# Allegro board PoF_TMR_A1-JAN-20-26.brd (continued)
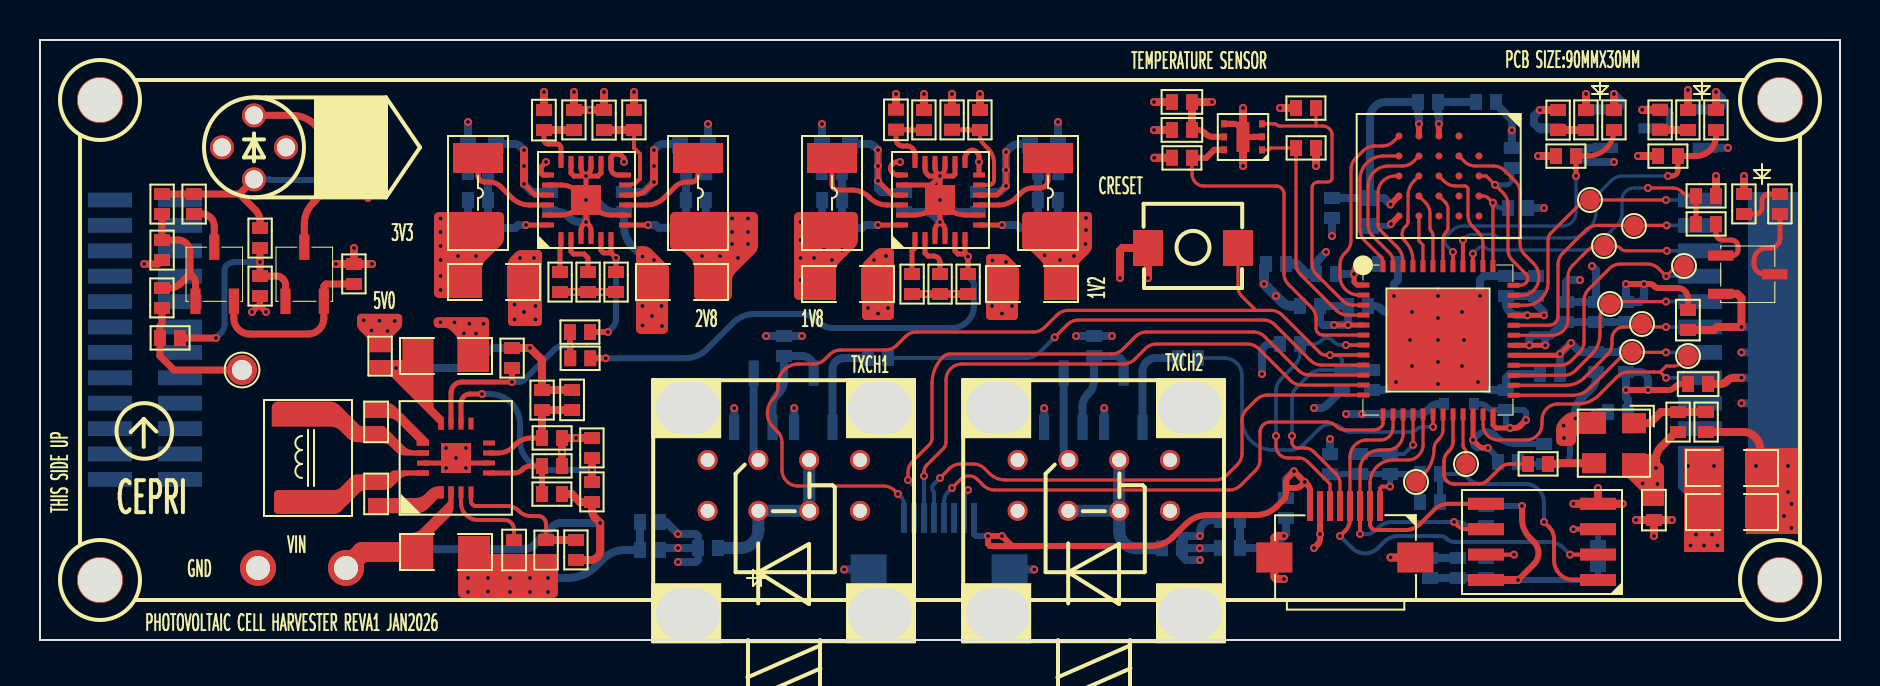
[diagram p0: board, top side]
## Routing (per net, layer and track width the routed paths; a pad name or vN(x,y) marks a point on that pad's centre or on a via; arc(x,y) is an arc through that point) (continued)
UPLD_TXD2: length 25.3
  TOP w0.16: v1(50.73,15.13) 51.37,15.77 arc(51.63,15.94) 51.93,16 61.17,16 arc(61.47,15.94) 61.73,15.77 63.52,13.98 arc(63.78,13.81) 64.08,13.75 U5.9
  BOTTOM w0.2: R63.1 49.29,14.1 arc(49.67,14.18) 49.99,14.39 v1(50.73,15.13)
UPLD_TXD3: length 16.6
  TOP w0.18: U5.18 v1(69.65,10.65)
  BOTTOM w0.18: v1(69.65,10.65) 69.11,10.65 arc(68.97,10.62) 68.84,10.54 68.81,10.51 arc(68.69,10.43) 68.54,10.4 65.49,10.4 arc(65.31,10.44) 65.16,10.54 arc(64.55,10.79) 63.94,10.54 63.16,9.76 arc(62.87,9.57) 62.53,9.5 61.65,9.5 arc(60.55,9.95) 60.1,11.05 60.1,13.2 arc(59.84,13.84) 59.2,14.1 R62.1
N1648364: length 7.6
  TOP w0.25: U5.30 v1(74.46,14.74) v1(75.26,14.74)
  BOTTOM w0.4: FB2.1 C39.1 C40.1 76.2,15.9 75.54,15.24 75.26,15.24 ; v1(74.46,14.74) 74.46,15.1 74.6,15.24 75.26,15.24 ; 75.26,15.24 v1(75.26,14.74)
N1648368: length 6.1
  TOP w0.25: U5.5 v1(65.4,15.75) v1(64.7,15.75)
  BOTTOM w0.4: 64,15.9 64.15,15.75 v1(64.7,15.75) v1(65.4,15.75) C38.1 FB1.1 64,15.9
N1648564: length 3.1
  TOP w0.2: U7.3 v1(76.67,5.54)
  BOTTOM w0.3: R74.1 77.9,5.19 arc(77.8,5.44) 77.55,5.54 v1(76.67,5.54)
N1648568: length 2.9
  TOP w0.2: U7.7 v1(73.7,4.27)
  BOTTOM w0.2: v1(73.7,4.27) 73.14,4.27 72.97,4.1 R75.1
N1648824: length 7.8
  TOP w0.25: U5.29 75.94,14.24 v1(76,14.3) v1(76.55,14.85)
  BOTTOM w0.4: C42.1 v1(76,14.3) v1(76.55,14.85) 77,14.4 C41.1 R64.1
N1648996: length 6.5
  TOP w0.25: v1(73.5,10.6) 72.8,10.6 72.65,10.75 U5.24
  TOP w0.3: v1(74.3,11) 74.02,10.72 arc(73.89,10.63) 73.73,10.6 v1(73.5,10.6)
  BOTTOM w0.3: D6.1 72.02,11.8 arc(72.19,11.77) 72.33,11.67 72.37,11.63 arc(72.51,11.53) 72.68,11.5 C44.1 ; C44.1 73.3,10.8 v1(73.5,10.6) ; C44.1 74.19,11.5 74.3,11.39 v1(74.3,11)
N1650132: length 12.2
  TOP w0.3: U2.D1 v1(68.95,25.8) ; U2.E4 v1(67.52,21.78)
  BOTTOM w0.4: L6.1 C33.1 ; C33.1 67.2,22.1 v1(67.52,21.78) ; C33.1 66.5,26.1 arc(66.73,26.67) 67.3,26.9 C20.1 68.9,26.24 68.95,26.19 v1(68.95,25.8)
N1650410: length 2.3
  TOP w0.4: R7.2 v1(78.7,27.3)
  BOTTOM w0.4: Q5.1 78.82,26.52 79,26.7 79,27 v1(78.7,27.3)
N1650418: length 2.6
  TOP w0.4: R9.2 v1(83.8,27.4)
  BOTTOM w0.4: v1(83.8,27.4) 84.1,27.1 84.1,26.7 83.92,26.52 Q4.1
N1650426: length 3.1
  TOP w0.25: R20.2 83.8,20.32 arc(83.82,20.21) 83.88,20.12 83.92,20.08 arc(84.01,20.02) 84.12,20 84.58,20 arc(84.69,19.98) 84.78,19.92 84.82,19.88 arc(84.88,19.79) 84.9,19.68 84.9,19.5 arc(84.82,19.3) 84.62,19.22 Q3.1
N3114235: length 5
  TOP w0.25: L4.1 50.4,23 arc(50.28,22.72) 50,22.6 49.62,22.6 arc(49.32,22.54) 49.07,22.37 48.82,22.12 arc(48.41,21.85) 47.93,21.75 U4.9
N3114271: length 2.3
  TOP w0.25: R28.1 45,18.88 arc(44.98,18.99) 44.92,19.08 44.88,19.12 arc(44.79,19.18) 44.68,19.2 44.4,19.2 44.25,19.35 U4.2
N3114319: length 5.8
  TOP w0.25: U4.7 v1(48.1,20.75)
  BOTTOM w0.4: v1(48.1,20.75) 48.85,20.75 48.99,20.61 R55.1 49.9,21.4 49.9,21.41 C25.1 49.9,22.78 49.91,22.8 R49.2
N3114529: length 3.7
  TOP w0.25: R4.1 43.41,25.5 43.39,25.52 C2.2 42.8,25.02 arc(42.82,24.91) 42.88,24.82 42.92,24.78 arc(43.01,24.72) 43.12,24.7 43.35,24.7 arc(43.49,24.67) 43.61,24.59 43.64,24.56 arc(43.72,24.44) 43.75,24.3 U4.18
N3114639: length 5.2
  TOP w0.25: L3.1 39.6,22.8 arc(39.69,22.59) 39.9,22.5 40.59,22.5 arc(41.06,22.41) 41.46,22.14 41.49,22.11 arc(41.89,21.84) 42.36,21.75 U4.22
N3114667: length 1.9
  TOP w0.25: U4.1 43.75,19.61 43.6,19.46 R27.1
N3114699: length 5.9
  TOP w0.25: U4.24 v1(41.9,20.75)
  BOTTOM w0.4: R50.2 40.09,22.81 40.1,22.79 C26.1 40.1,21.41 40.1,21.4 R56.1 41.1,20.6 41.25,20.75 v1(41.9,20.75)
N3116255: length 5.1
  TOP w0.25: U3.9 30.33,21.75 arc(30.81,21.85) 31.22,22.12 31.77,22.67 arc(32.02,22.84) 32.33,22.9 32.59,22.9 arc(32.69,22.92) 32.78,22.98 32.82,23.02 arc(32.88,23.11) 32.9,23.21 L2.1
N3116291: length 2.4
  TOP w0.25: U3.2 26.55,19.43 26.68,19.3 27.2,19.3 27.4,19.1 R25.1
N3116339: length 5.9
  TOP w0.25: U3.7 v1(30.4,20.75)
  BOTTOM w0.4: R51.2 32.31,22.8 32.3,22.78 C27.1 32.3,21.41 32.3,21.4 R57.1 30.93,20.61 30.79,20.75 v1(30.4,20.75)
N3116549: length 3.8
  TOP w0.25: C3.2 25.2,25.01 arc(25.26,24.86) 25.41,24.8 25.85,24.8 arc(25.99,24.74) 26.05,24.6 U3.18
  TOP w0.4: R2.1 C3.2
N3116659: length 4.9
  TOP w0.25: L1.1 21.9,23.21 arc(21.92,23.11) 21.98,23.02 22.02,22.98 arc(22.11,22.92) 22.21,22.9 22.47,22.9 arc(22.78,22.84) 23.03,22.67 23.58,22.12 arc(23.99,21.85) 24.47,21.75 U3.22
N3116687: length 1.7
  TOP w0.25: R24.1 26,19.56 26.05,19.61 U3.1
N3116719: length 5.9
  TOP w0.25: U3.24 v1(24.3,20.75)
  BOTTOM w0.4: R52.2 C28.1 R58.1 23.76,20.6 23.91,20.75 v1(24.3,20.75)
N3119651: length 7
  TOP w0.2: U6.4 21.55,6.94 arc(21.57,6.86) 21.61,6.79 21.64,6.76 arc(21.71,6.72) 21.79,6.7 23.37,6.7 arc(23.67,6.64) 23.94,6.46 23.96,6.44 arc(24.23,6.26) 24.53,6.2 24.9,6.2 arc(25.18,6.08) 25.3,5.8 R47.1
  TOP w0.4: R46.2 R47.1
N3122265: length 11.5
  TOP w0.25: U6.10 21.05,11.85 arc(21.18,12.17) 21.5,12.3 v1(22.1,12.3)
  TOP w0.4: R44.2 v1(27.6,8.5) R41.1
  BOTTOM w0.3: v1(27.6,8.5) 25.5,8.5 arc(24.44,8.94) 24,10 24,10.8 arc(23.56,11.86) 22.5,12.3 v1(22.1,12.3)
N3122703: length 4.5
  TOP w0.2: C18.2 23.7,5.53 arc(23.56,5.86) 23.23,6 21.9,6 arc(21.3,6.25) 21.05,6.85 U6.3
N3123371: length 11.9
  TOP w0.4: R35.1 v1(24.5,14.6) 25.1,14 R37.1 C12.2
  BOTTOM w0.4: v1(24.5,14.6) 22.6,14.6 21.6,13.6 v1(17.8,13.6)
N3124274: length 5.8
  TOP w0.25: R40.1 24.57,10.1 arc(24.14,10.01) 23.76,9.76 23.65,9.65 arc(23.32,9.43) 22.93,9.35 U6.7
  TOP w0.4: C12.1 R37.2 R40.1
N3127570: length 4.1
  TOP w0.25: U6.5 23.73,8.35 arc(23.93,8.39) 24.11,8.51 24.14,8.54 arc(24.32,8.66) 24.52,8.7 R43.1
  TOP w0.3: R45.2 R43.1
N3144574: length 11.7
  TOP w0.35: LD1.1 9.97,22.3 ; 9.97,22.3 10.78,21.49 arc(10.94,21.25) 11,20.96 R21.1 ; 9.97,22.3 R19.1 R18.1
  BOTTOM w0.3: LD1.1 11.49,23.03 11.52,23 R53.2
N3144674: length 9.7
  TOP w0.35: Q2.3 13.21,20.79 arc(13.33,21.37) 13.65,21.85 13.76,21.96 arc(14.09,22.45) 14.2,23.02 14.2,24.65 arc(13.74,25.77) 12.62,26.23 LD1.2
N3144682: length 7.3
  TOP w0.35: R18.2 R22.1 6.9,20 arc(7.32,19.82) 7.5,19.4 7.5,18.3 ; 7.5,18.3 7.03,17.83 arc(6.78,17.66) 6.48,17.6 R31.2 ; 7.5,18.3 7.66,18.14 arc(7.75,18.01) 7.78,17.86 Q1.1
N3144686: length 2.4
  TOP w0.35: Q1.3 8.71,20.69 arc(8.53,21.12) 8.1,21.3 R19.2
N3144698: length 11.1
  TOP w0.35: R33.2 v1(8.8,15.1) ; Q2.1 12.28,17.76 arc(12.25,17.91) 12.16,18.04 12.12,18.08 arc(11.99,18.17) 11.83,18.2 R30.1 v1(11,18.9) R21.2
  BOTTOM w0.3: v1(8.8,15.1) 9.03,15.33 arc(9.18,15.55) 9.23,15.8 9.23,18.5 arc(9.25,18.62) 9.31,18.71 arc(9.52,18.85) 9.76,18.9 v1(11,18.9)
N3144846: length 9.4
  TOP w0.35: R23.1 14.3,17.8 14.2,17.7 14.2,16.94 Q2.2 14.19,16.09 arc(13.96,15.53) 13.4,15.3 10.48,15.3 arc(9.92,15.53) 9.69,16.09 9.69,16.93
N3153529: length 8.6
  BOTTOM w0.6: R73.2 35,4.6 arc(35.65,4.87) 35.92,5.52 D4.6 D4.7 D4.2
N3153778: length 4.4
  BOTTOM w0.4: Q9.3 35.69,9.23 D4.3
N3452855: length 3.8
  TOP w0.4: Y1.1 80.49,10.84 81.05,11.4 R38.1 R39.1
N3452915: length 2.3
  TOP w0.4: Y1.3 75.93,8.84 75.89,8.8 R42.2
N3454817: length 8.7
  BOTTOM w0.6: D5.7 D5.2 ; D5.7 53.96,5.44 arc(54.21,4.84) 54.81,4.59 R72.2 ; D5.7 D5.6
N3455721: length 5
  BOTTOM w0.4: R62.2 55.8,14.1 arc(55.32,13.9) 55.12,13.42 Q6.1
N3466449: length 5
  BOTTOM w0.4: R63.2 40.2,14.1 arc(39.79,13.93) 39.62,13.52 Q8.1
N3466785: length 5.8
  BOTTOM w0.4: Q9.1 36.62,11.66 arc(36.69,12) 36.88,12.28 36.94,12.34 arc(37.13,12.63) 37.2,12.97 R61.1 38.1,14.2 arc(38.51,14.03) 38.69,13.61 Q8.3
N3468693: length 5.9
  BOTTOM w0.4: Q7.1 52.12,11.66 arc(52.19,12) 52.38,12.28 52.44,12.34 arc(52.63,12.63) 52.7,12.97 R60.1 53.71,14.2 arc(54.04,14.06) 54.19,13.72 Q6.3
N3469920: length 4.4
  BOTTOM w0.4: D5.3 51.19,9.23 Q7.3
N16499101: length 1.4
  TOP w0.4: R11.2 D1.1
N16499261: length 1.4
  TOP w0.4: D2.1 81.6,25.5 81.59,25.51 R8.2
N16499421: length 2.5
  TOP w0.25: R17.2 86.42,22.3 arc(86.31,22.28) 86.22,22.22 86.18,22.18 arc(86.12,22.09) 86.1,21.98 86.1,21.62 arc(86.08,21.51) 86.02,21.42 85.98,21.38 arc(85.89,21.32) 85.78,21.3 D3.1
N16501820: length 2.7
  TOP w0.4: R11.1 v1(75,26.5)
  BOTTOM w0.4: Q5.3 74.94,25.59 74.7,25.83 74.7,26.2 v1(75,26.5)
N16501980: length 4
  TOP w0.4: R8.1 v1(80.11,26.51)
  BOTTOM w0.4: v1(80.11,26.51) 81.29,26.51 81.5,26.3 81.5,25.7 81.38,25.59 Q4.3
N16502140: length 4.7
  TOP w0.25: Q3.3 86.73,18.3 86.19,18.3 arc(85.84,18.44) 85.7,18.79 85.7,18.98 arc(85.88,19.42) 86.33,19.6 86.5,19.6 arc(86.85,19.75) 87,20.1 R17.1

## Copper pours and planes (outline as drawn; the poured copper is in the pictures)
GND on TOP (solid shape): 87.9,5.3 85.3,5.3 85.3,9.6 87.9,9.6
GND on TOP (solid shape): 22.5,4.3 25.9,4.3 25.9,2.35 25.83,2.17 25.65,2.1 21.15,2.1 20.97,2.17 20.9,2.35 20.9,5.2 22.5,5.2
GND on BOTTOM (solid shape): 87.9,5.3 85.4,5.3 85.4,22.4 87.9,22.4
GND on GND: 4.99,27.52 4.8,28 85.2,28 85.04,27.55 84.99,27.08 85.6,25.6 87.08,24.99 87.55,25.04 88,25.2 88,4.8 87.54,4.97 87.06,5.02 85.59,4.41 84.98,2.94 85.03,2.46 85.2,2 4.8,2 4.48,4.48 2,4.8 2,25.2 2.48,25.01 3,24.94 4.46,25.54 5.06,27 ; 1 cut-out
P1V2 on VCC: 52.11,21.5 55.09,21.5 55.45,21.15 55.61,21.04 55.8,21 58.99,21 62.15,17.85 62.31,17.74 62.5,17.7 66.5,17.7 66.69,17.74 66.85,17.85 67.81,18.8 72.69,18.8 73.2,18.29 73.2,14.2 73.24,14.01 73.35,13.85 73.65,13.55 73.81,13.44 74,13.4 77.2,13.4 77.39,13.44 77.55,13.55 78.35,14.35 78.46,14.51 78.5,14.7 78.5,18.7 80.79,18.7 81.3,18.19 81.3,13.01 79.69,11.4 76.51,11.4 75.65,12.25 75.49,12.36 75.3,12.4 72.61,12.4 71.5,13.51 71.5,16 71.46,16.19 71.35,16.35 70.95,16.75 70.79,16.86 70.6,16.9 67.4,16.9 67.21,16.86 67.05,16.75 66.59,16.3 63.71,16.3 63.35,16.65 63.19,16.76 63,16.8 60,16.8 59.84,16.78 59.7,16.7 58,18.41 57.85,18.76 57.5,18.9 52.1,18.9 51.91,18.86 51.75,18.75 51.19,18.2 50.9,18.2 50.9,20.29
P1V8 on VCC: 50.8,28 75.1,28 75.1,25.8 75.14,25.61 75.25,25.45 76.15,24.55 76.31,24.44 76.5,24.4 82.79,24.4 84,23.19 84,12.11 81.35,9.45 81.24,9.29 81.2,9.1 81.2,7.11 79.19,5.1 76.81,5.1 75.45,6.45 75.29,6.56 75.1,6.6 61.01,6.6 60.2,7.41 60.2,15.79 60.21,15.8 62.79,15.8 63.15,15.45 63.31,15.34 63.5,15.3 66.8,15.3 66.99,15.34 67.15,15.45 67.61,15.9 70.39,15.9 70.5,15.79 70.5,13.3 70.54,13.11 70.65,12.95 72.05,11.55 72.21,11.44 72.4,11.4 75.09,11.4 75.95,10.55 76.11,10.44 76.3,10.4 79.9,10.4 80.09,10.44 80.25,10.55 82.15,12.45 82.26,12.61 82.3,12.8 82.3,18.4 82.26,18.59 82.15,18.75 81.35,19.55 81.19,19.66 81,19.7 78,19.7 77.65,19.55 77.5,19.2 77.5,14.91 76.99,14.4 74.21,14.4 74.2,14.41 74.2,18.5 74.16,18.69 74.05,18.85 73.25,19.65 73.09,19.76 72.9,19.8 67.6,19.8 67.41,19.76 67.25,19.65 66.29,18.7 62.71,18.7 59.55,21.85 59.39,21.96 59.2,22 56.01,22 55.65,22.35 55.49,22.46 55.3,22.5 51.9,22.5 51.71,22.46 51.55,22.35 50.05,20.85 49.94,20.69 49.9,20.5 49.9,15.41 48.49,14 41.11,14 38.75,16.35 38.59,16.46 38.4,16.5 34.01,16.5 33.75,16.75 33.59,16.86 33.4,16.9 31.31,16.9 31.45,17.05 31.56,17.21 31.6,17.4 31.6,20.79 33.55,22.75 33.66,22.91 33.7,23.1 33.7,24 38.59,24 40,22.59 40,21.2 40.04,21.01 40.15,20.85 43.35,17.65 43.51,17.54 43.7,17.5 45.9,17.5 46.09,17.54 46.25,17.65 48.35,19.75 48.46,19.91 48.5,20.1 48.5,21.19 50.65,23.35 50.76,23.51 50.8,23.7 ; 3 cut-outs
P3V3 on TOP (solid shape): 84.2,4.4 82.2,4.4 82.2,9.6 84.2,9.6
P3V3 on BOTTOM (solid shape): 84.2,4.4 82.2,4.4 82.2,7.3 81.9,7.6 81.9,9.7 84.2,9.7
P3V3 on VCC: 76.1,28 85.2,28 85.04,27.55 84.99,27.08 85.6,25.6 87.08,24.99 87.55,25.04 88,25.2 88,4.8 87.54,4.97 87.06,5.02 85.59,4.41 84.98,2.94 85.03,2.46 85.2,2 27.1,2 27.1,10.1 27.06,10.29 26.95,10.45 24.35,13.05 24.19,13.16 24,13.2 19.41,13.2 18.9,13.71 18.9,19 18.86,19.19 18.75,19.35 17.45,20.65 17.29,20.76 17.1,20.8 15.8,20.8 15.8,24.59 15.91,24.7 17.29,24.7 18.05,23.95 18.21,23.84 18.4,23.8 21.89,23.8 22.6,23.09 22.6,18.2 22.64,18.01 22.75,17.85 24.55,16.05 24.71,15.94 24.9,15.9 33.19,15.9 33.45,15.65 33.61,15.54 33.8,15.5 38.19,15.5 40.55,13.15 40.71,13.04 40.9,13 48.7,13 48.89,13.04 49.05,13.15 50.75,14.85 50.86,15.01 50.9,15.2 50.9,17.2 51.4,17.2 51.59,17.24 51.75,17.35 52.31,17.9 57.1,17.9 57.15,17.85 59.2,15.79 59.2,7.2 59.24,7.01 59.35,6.85 60.45,5.75 60.61,5.64 60.8,5.6 74.89,5.6 76.25,4.25 76.41,4.14 76.6,4.1 79.4,4.1 79.59,4.14 79.75,4.25 82.05,6.55 82.16,6.71 82.2,6.9 82.2,8.89 84.85,11.55 84.96,11.71 85,11.9 85,23.4 84.96,23.59 84.85,23.75 83.35,25.25 83.19,25.36 83,25.4 76.71,25.4 76.1,26.01 ; 1 cut-out
P5V0 on VCC: 4.99,27.52 4.8,28 49.8,28 49.8,23.91 47.65,21.75 47.54,21.59 47.5,21.4 47.5,20.31 45.69,18.5 43.91,18.5 41,21.41 41,22.8 40.96,22.99 40.85,23.15 39.15,24.85 38.99,24.96 38.8,25 33.2,25 32.85,24.85 32.7,24.5 32.7,23.31 30.75,21.35 30.64,21.19 30.6,21 30.6,17.61 29.99,17 29.9,17 29.74,16.97 29.6,16.9 25.11,16.9 23.6,18.41 23.6,23.3 23.56,23.49 23.45,23.65 22.45,24.65 22.29,24.76 22.1,24.8 18.61,24.8 17.85,25.55 17.69,25.66 17.5,25.7 15.7,25.7 15.51,25.66 15.35,25.55 14.95,25.15 14.84,24.99 14.8,24.8 14.8,20.3 14.95,19.95 15.3,19.8 16.89,19.8 17.9,18.79 17.9,13.5 17.94,13.31 18.05,13.15 18.85,12.35 19.01,12.24 19.2,12.2 23.79,12.2 26.1,9.89 26.1,2 4.8,2 4.48,4.48 2,4.8 2,25.2 2.48,25.01 3,24.94 4.46,25.54 5.06,27
VIN on TOP (solid shape): 20.68,6.67 20.62,6.39 20.47,6.16 19.73,5.42 19.68,5.34 19.66,5.25 19.66,3.45 17.95,3.45 17.95,5.35 18.55,5.35 18.83,5.41 19.06,5.56 20.35,6.85 20.4,6.93 20.42,7.02 20.42,7.68 20.68,7.68
N3119450 on TOP (solid shape): 14.48,11.92 14.76,11.86 14.99,11.71 15.93,10.77 16.01,10.72 16.1,10.7 17.2,10.7 18.21,9.69 18.44,9.54 18.72,9.48 19.45,9.48 19.45,9.22 18.28,9.22 18,9.28 17.77,9.43 17.52,9.68 17.29,9.83 17.01,9.89 15.89,9.89 15.61,9.95 15.38,10.1 15.02,10.46 14.79,10.61 14.51,10.67 11.6,10.67 11.59,10.68 11.59,11.62 11.68,11.83 11.89,11.92
N3119520 on TOP (solid shape): 20.18,7.08 19.9,7.08 19.37,6.55 19.14,6.4 18.86,6.34 16.4,6.34 16.4,7.1 18.76,7.1 19.04,7.16 19.27,7.31 19.43,7.47 19.66,7.62 19.94,7.68 20.18,7.68
N3119553 on TOP (solid shape): 17.27,11.87 17.55,11.81 17.78,11.66 19.45,9.99 19.45,9.72 18.83,9.72 18.83,9.95 17.89,10.89 17.66,11.04 17.38,11.1 16.26,11.1 16.26,11.87
N3123371 on TOP (solid shape): 19.67,11.74 19.69,11.65 19.74,11.57 20.18,11.13 20.18,10.52 20.17,10.51 19.92,10.51 19.92,10.81 17.6,13.13 17.52,13.18 17.43,13.2 16.4,13.2 16.4,14 18.13,14 18.13,15.05 19.67,15.05
GND on TOP (solid shape): 30.15,19.7 30.38,19.65 30.58,19.52 31.4,18.7 31.4,15.55 31.33,15.37 31.15,15.3 30.05,15.3 29.87,15.37 29.8,15.55 29.8,19.45 29.87,19.63 30.05,19.7
GND on TOP (solid shape): 24.9,19.5 25.04,19.44 25.1,19.3 25.1,15.9 25.04,15.76 24.9,15.7 23.6,15.7 23.46,15.76 23.4,15.9 23.4,18.8 23.44,18.98 23.54,19.14 23.76,19.36 23.92,19.46 24.1,19.5
GND on TOP (solid shape): 42.5,19.6 42.64,19.54 42.7,19.4 42.7,16.2 42.64,16.06 42.5,16 41.3,16 41.16,16.06 41.1,16.2 41.1,18.6 41.14,18.78 41.24,18.94 41.76,19.46 41.92,19.56 42.1,19.6
GND on TOP (solid shape): 48.1,19.3 48.28,19.26 48.44,19.16 48.76,18.84 48.86,18.68 48.9,18.5 48.9,16.2 48.84,16.06 48.7,16 47.5,16 47.36,16.06 47.3,16.2 47.3,19.1 47.36,19.24 47.5,19.3
GND on TOP (solid shape): 22.25,16.14 22.39,16.08 22.45,15.94 22.45,13.4 20.87,13.4 20.87,14.95 20.83,15.13 20.73,15.29 20.55,15.47 20.39,15.57 20.21,15.61 19.89,15.61 19.75,15.67 19.69,15.81 19.69,15.94 19.75,16.08 19.89,16.14
GND on TOP (solid shape): 78.3,10.3 76.95,10.3 76.9,10.29 76.86,10.26 76.84,10.24 76.81,10.2 76.8,10.15 76.8,10 76.71,9.79 76.5,9.7 76.1,9.7 75.89,9.79 75.8,10 75.8,10.5 75.86,10.78 76.01,11.01 76.19,11.19 76.42,11.34 76.7,11.4 78.3,11.4
P1V2 on TOP (solid shape): 52.4,21.4 52.54,21.34 52.6,21.2 52.6,19.7 52.56,19.52 52.46,19.36 52.04,18.94 51.94,18.78 51.9,18.6 51.9,17 50.2,17 50.2,18.6 50.16,18.78 50.06,18.94 49.64,19.36 49.48,19.46 49.3,19.5 49.16,19.56 49.1,19.7 49.1,21.15 49.17,21.33 49.35,21.4
P1V8 on TOP (solid shape): 80.5,9.3 80.59,9.28 80.67,9.23 81.13,8.77 81.18,8.69 81.2,8.6 81.2,6.8 81.17,6.73 81.1,6.7 80.2,6.7 80.13,6.73 80.1,6.8 80.1,7.3 80.08,7.39 80.03,7.47 79.47,8.03 79.39,8.08 79.3,8.1 79.2,8.1 79.13,8.13 79.1,8.2 79.1,9.3
P1V8 on TOP (solid shape): 40.65,21.4 40.83,21.33 40.9,21.15 40.9,20.05 40.85,19.82 40.72,19.62 39.98,18.88 39.85,18.68 39.8,18.45 39.8,17 37.95,17 37.77,17.07 37.7,17.25 37.7,21.15 37.77,21.33 37.95,21.4
P2V8 on TOP (solid shape): 35.65,21.4 35.83,21.33 35.9,21.15 35.9,19.75 35.85,19.52 35.72,19.32 34.78,18.38 34.65,18.18 34.6,17.95 34.6,17.25 34.53,17.07 34.35,17 32.95,17 32.77,17.07 32.7,17.25 32.7,18.65 32.65,18.88 32.52,19.08 32.28,19.32 32.08,19.45 31.85,19.5 31.75,19.5 31.57,19.57 31.5,19.75 31.5,21.15 31.57,21.33 31.75,21.4
P3V3 on TOP (solid shape): 22.95,21.4 23.13,21.33 23.2,21.15 23.2,20.15 23.15,19.92 23.02,19.72 22.28,18.98 22.15,18.78 22.1,18.55 22.1,17.1 19.95,17.1 19.77,17.17 19.7,17.35 19.7,21.15 19.77,21.33 19.95,21.4
P5V0 on TOP (solid shape): 17.91,16.31 18.05,16.25 18.11,16.11 18.11,15.85 18.07,15.67 17.97,15.51 17.72,15.26 17.62,15.1 17.58,14.92 17.58,14.39 16.4,14.39 16.4,14.87 16.36,15.05 16.26,15.21 15.99,15.48 15.89,15.64 15.85,15.82 15.85,16.11 15.91,16.25 16.05,16.31
N3119456 on TOP (solid shape): 19.45,8.22 18.48,8.22 18.2,8.16 17.97,8.01 17.67,7.71 17.44,7.56 17.16,7.5 16.3,7.5 16.12,7.46 15.96,7.36 15.04,6.44 14.88,6.34 14.7,6.3 11.9,6.3 11.76,6.36 11.7,6.5 11.7,7.3 11.76,7.44 11.9,7.5 14.7,7.5 14.88,7.54 15.04,7.64 15.54,8.14 15.7,8.24 15.88,8.28 17.32,8.28 17.41,8.3 17.49,8.35 17.55,8.41 17.63,8.46 17.72,8.48 19.45,8.48

## Text on the board
Ref Des/Silkscreen Bottom: CEPRI
Ref Des/Silkscreen Top: PHOTOVOLTAIC CELL HARVESTER REVA1 JAN2026 | GND | VIN | 5V0 | 3V3 | 2V8 | 1V8 | TXCH1 | CRESET | TEMPERATURE SENSOR | TXCH2 | PCB SIZE:90MMX30MM | THIS SIDE UP | 1V2 | CEPRI
XSECTION_CHART: *  SURFACE | L1 TOP CONDUCTOR | *  DIELECTRIC | L2 GND CONDUCTOR | L3 VCC CONDUCTOR | L4 BOTTOM CONDUCTOR | DESIGN CROSS SECTION CHART | ___________________________ | TOTAL THICKNESS 1.1122 MM | 1-4
DIMENSION: 4LAYERS PCB STACK, 1.2mm THINKNESS, NO IMPEDANCE MATCH DEMAND. | ANY QUESTIONS PLEASE CONTACT ME: +8613522296239 | FIGURE | FINISHED_SIZE | 0.2 | 0.7 | 0.9 | 1.0 | 1.2 | 2.2 | 3.2x2.6 | DRILL CHART: TOP to BOTTOM | ALL UNITS ARE IN MILLIMETERS | PLATED | NON-PLATED | QTY | 313 | 16 | 4 | 1 | 2 | 8
